# Altium PCB SAMW25_Xplained_Pro.PcbDoc (part 5 of 9)
Units mm, origin at the board's own origin, x right, y up, seen from the top; angles counter-clockwise.
Board outline 60 x 60 mm, 4 copper layers (Top Layer LF-signals, GND, POWER, Bottom Layer LF-signals), stack 1.602 mm thick; 139 components, 107 nets, 540 pads, 303 vias.
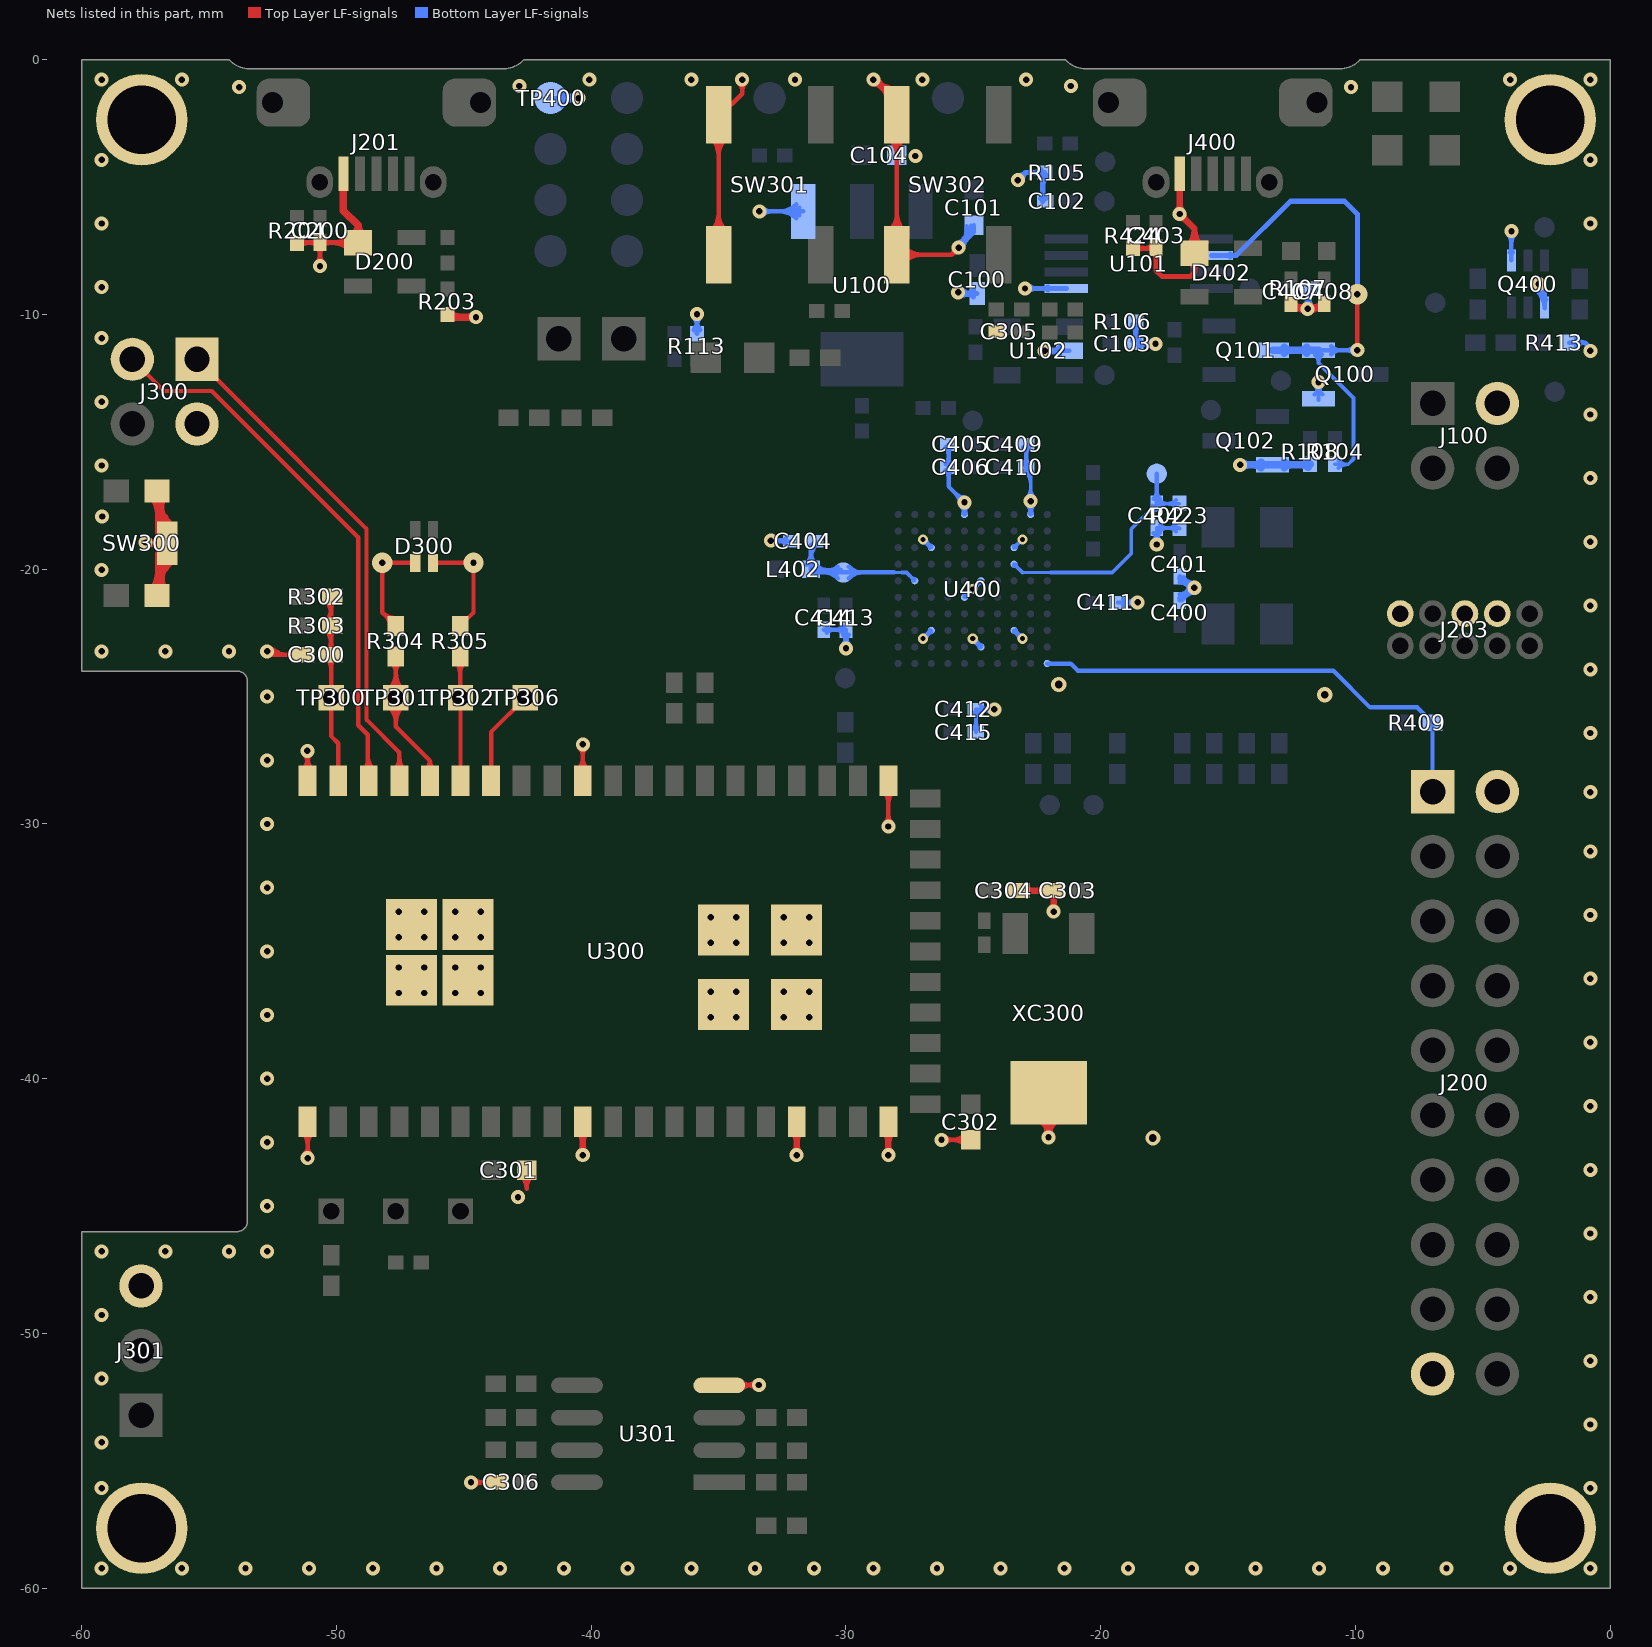
[diagram p7: the nets of this part, all layers, seen from the top]

## Via types
v1: diameter 0.55, hole 0.25, Top Layer LF-signals to Bottom Layer LF-signals, tented both sides, 213 vias
v2: diameter 0.55, hole 0.25, Top Layer LF-signals to Bottom Layer LF-signals, 46 vias
v3: diameter 0.55/0.8 (per signal layer), hole 0.25, Top Layer LF-signals to Bottom Layer LF-signals, tented top, 18 vias
v4: diameter 0.4, hole 0.2, Top Layer LF-signals to Bottom Layer LF-signals, 15 vias
v5: diameter 0.55, hole 0.25, Top Layer LF-signals to Bottom Layer LF-signals, tented top, 8 vias
v6: diameter 0.6, hole 0.3, Top Layer LF-signals to Bottom Layer LF-signals, tented both sides, 3 vias

## Nets (pads, with @x,y where several pads share a name; then routed paths per layer and width w, separated by ;. In a path a pad name is that pad's centre, name@x,y a point inside that pad or via, vN(x,y) a via of type N, cw(c..) or ccw(c..) an arc to the next point about the centre after c; other vN are vias at no path point) (continued)
GND: (continued)
  Bottom Layer LF-signals w0.175: v1(-33.4,-5.95) U100.1@-31.675,-5.95 ; C414.2@-30.875,-22.375 C413.2@-30,-22.375 v1(-30.001,-23.101) v1(-30.001,-23.101) ; C405.2@-25.975,-15.1 C406.2@-25.975,-16 -25.975,-16.748 v1(-25.35,-17.373) ; v1@-25.624,-7.194 ccw(c-25.741,-6.757) -25.349,-6.983 ccw(c-24.957,-7.209) v1@-25.394,-7.326 ; v1@-25.575,-7.188 ccw(c-25.575,-6.735) -25.255,-7.055 ccw(c-24.935,-7.375) v1@-25.388,-7.375 ; -25.311,-7.111 ccw(c-25.844,-6.578) C101.2@-25.093,-6.509 ; C101.2@-25.267,-6.525 cw(c-26.328,-6.622) v1(-25.575,-7.375) -24.975,-6.775 C101.2@-24.975,-6.499 ; C410.2@-22.925,-16 C409.2@-22.925,-15.1 ; v1@-22.225,-11.375 -22.225,-11.4 v1(-22.2,-11.425) U102.2@-21.225,-11.425 ; C400.2@-16.9,-21.225 -16.825,-21.225 v2(-16.325,-20.725) ; C401.2@-16.9,-20.275 v2@-16.45,-20.725 ; C400.2@-16.891,-20.988 ccw(c-16.872,-20.664) C400.2@-16.656,-20.906 ; C401.2@-16.858,-20.507 cw(c-16.725,-21.003) v2@-16.469,-20.558 ; C400.2@-16.738,-21.148 cw(c-16.369,-21.144) -16.614,-20.868 ; -16.616,-20.473 cw(c-16.481,-20.238) C401.2@-16.743,-20.308 ; -16.573,-20.53 cw(c-16.667,-20.882) v2@-16.336,-20.73 ; Q400.1@-3.875,-7.875 v1(-3.875,-6.725) ; v1(-2.8,-8.8) -2.575,-9.025 Q400.4@-2.575,-9.725 ; -2.728,-9.161 ccw(c-2.345,-9.045) Q400.4@-2.534,-9.398 ; -2.698,-9.232 cw(c-2.835,-9.369) Q400.4@-2.656,-9.442 ; R413.1@-1.6,-11.1 -0.975,-11.1 ; v1(-0.775,-11.425) -0.775,-11.3 -0.975,-11.1 ; v1@-33.267,-6.083 cw(c-32.947,-6.403) -32.947,-5.95 ; v1@-33.267,-6.083 cw(c-32.947,-6.403) -32.947,-5.95 ; v1@-33.267,-6.083 cw(c-32.947,-6.403) -32.947,-5.95 ; v1@-33.267,-5.817 ccw(c-32.947,-5.497) -32.947,-5.95 ; v1@-33.267,-5.817 ccw(c-32.947,-5.497) -32.947,-5.95 ; v1@-33.267,-5.817 ccw(c-32.947,-5.497) -32.947,-5.95 ; -32.611,-5.95 cw(c-32.611,-6.886) U100.1@-31.949,-6.224 ; -32.611,-5.95 ccw(c-32.611,-5.014) U100.1@-31.949,-5.676 ; -32.611,-5.95 ccw(c-32.611,-5.014) U100.1@-31.949,-5.676 ; -32.611,-5.95 cw(c-32.611,-6.886) U100.1@-31.949,-6.224 ; -32.611,-5.95 ccw(c-32.611,-5.014) U100.1@-31.949,-5.676 ; -32.611,-5.95 cw(c-32.611,-6.886) U100.1@-31.949,-6.224 ; -32.188,-5.95 cw(c-32.188,-6.463) U100.1@-31.825,-6.1 ; -32.188,-5.95 ccw(c-32.188,-5.437) U100.1@-31.825,-5.8 ; -32.188,-5.95 ccw(c-32.188,-5.437) U100.1@-31.825,-5.8 ; -32.188,-5.95 cw(c-32.188,-6.463) U100.1@-31.825,-6.1 ; -32.188,-5.95 ccw(c-32.188,-5.437) U100.1@-31.825,-5.8 ; -32.188,-5.95 cw(c-32.188,-6.463) U100.1@-31.825,-6.1 ; C414.2@-30.76,-22.49 cw(c-30.483,-22.767) -30.483,-22.375 ; C414.2@-30.76,-22.49 cw(c-30.483,-22.767) -30.483,-22.375 ; C414.2@-30.76,-22.49 cw(c-30.483,-22.767) -30.483,-22.375 ; C414.2@-30.76,-22.26 ccw(c-30.483,-21.983) -30.483,-22.375 ; C414.2@-30.76,-22.26 ccw(c-30.483,-21.983) -30.483,-22.375 ; C414.2@-30.76,-22.26 ccw(c-30.483,-21.983) -30.483,-22.375 ; -30.392,-22.375 cw(c-30.392,-22.767) C413.2@-30.115,-22.49 ; -30.392,-22.375 ccw(c-30.392,-21.983) C413.2@-30.115,-22.26 ; -30.392,-22.375 ccw(c-30.392,-21.983) C413.2@-30.115,-22.26 ; -30.392,-22.375 cw(c-30.392,-22.767) C413.2@-30.115,-22.49 ; -30.392,-22.375 ccw(c-30.392,-21.983) C413.2@-30.115,-22.26 ; -30.392,-22.375 cw(c-30.392,-22.767) C413.2@-30.115,-22.49 ; v1@-30.134,-22.969 ccw(c-30.458,-22.645) C413.2@-30,-22.645 ; v1@-30.134,-22.969 ccw(c-30.458,-22.645) C413.2@-30,-22.645 ; v1@-30.134,-22.969 ccw(c-30.458,-22.645) C413.2@-30,-22.645 ; C413.2@-30.115,-22.565 cw(c-30.392,-22.842) v1@-30,-22.842 ; C413.2@-30.115,-22.565 cw(c-30.392,-22.842) v1@-30,-22.842 ; C413.2@-30.115,-22.565 cw(c-30.392,-22.842) v1@-30,-22.842 ; C413.2@-30.106,-22.573 cw(c-30.243,-22.735) -30.039,-22.789 ; C413.2@-30.106,-22.573 cw(c-30.243,-22.735) -30.039,-22.789 ; C413.2@-30.106,-22.573 cw(c-30.243,-22.735) -30.039,-22.789 ; v1@-30.095,-22.939 ccw(c-30.21,-22.741) -29.989,-22.8 ; v1@-30.096,-22.939 ccw(c-30.175,-22.802) -30.022,-22.761 ; v1@-30.096,-22.939 ccw(c-30.175,-22.802) -30.022,-22.761 ; v1@-30.095,-22.939 ccw(c-30.21,-22.741) -29.989,-22.8 ; v1@-30.096,-22.939 ccw(c-30.175,-22.802) -30.022,-22.761 ; v1@-30.095,-22.939 ccw(c-30.21,-22.741) -29.989,-22.8 ; v1@-30.096,-22.939 ccw(c-30.175,-22.802) -30.022,-22.761 ; v1@-30.095,-22.939 ccw(c-30.21,-22.741) -29.989,-22.8 ; v1@-30.096,-22.939 ccw(c-30.175,-22.802) -30.022,-22.761 ; v1@-30.095,-22.939 ccw(c-30.21,-22.741) -29.989,-22.8 ; v1@-30.096,-22.939 ccw(c-30.175,-22.802) -30.022,-22.761 ; v1@-30.095,-22.939 ccw(c-30.21,-22.741) -29.989,-22.8 ; C413.2@-30.081,-22.591 cw(c-30.188,-22.776) -29.982,-22.721 ; C413.2@-30.081,-22.591 cw(c-30.188,-22.776) -29.982,-22.721 ; C413.2@-30.081,-22.591 cw(c-30.188,-22.776) -29.982,-22.721 ; -30.021,-22.724 cw(c-29.809,-22.781) C413.2@-29.919,-22.591 ; -30.021,-22.724 cw(c-29.809,-22.781) C413.2@-29.919,-22.591 ; -30.021,-22.724 cw(c-29.809,-22.781) C413.2@-29.919,-22.591 ; -30.01,-22.806 ccw(c-29.798,-22.749) v1@-29.908,-22.939 ; -30.01,-22.806 ccw(c-29.798,-22.749) v1@-29.908,-22.939 ; -30.01,-22.806 ccw(c-29.798,-22.749) v1@-29.908,-22.939 ; -30.01,-22.806 ccw(c-29.798,-22.749) v1@-29.908,-22.939 ; -30.01,-22.806 ccw(c-29.798,-22.749) v1@-29.908,-22.939 ; -30.01,-22.806 ccw(c-29.798,-22.749) v1@-29.908,-22.939 ; v1@-30,-22.842 cw(c-29.608,-22.842) C413.2@-29.885,-22.565 ; v1@-30,-22.842 cw(c-29.608,-22.842) C413.2@-29.885,-22.565 ; v1@-30,-22.842 cw(c-29.608,-22.842) C413.2@-29.885,-22.565 ; C413.2@-30,-22.652 ccw(c-29.552,-22.652) v1@-29.869,-22.969 ; C413.2@-30,-22.652 ccw(c-29.552,-22.652) v1@-29.869,-22.969 ; C413.2@-30,-22.652 ccw(c-29.552,-22.652) v1@-29.869,-22.969 ; -29.977,-22.756 ccw(c-29.815,-22.799) v1@-29.903,-22.942 ; -29.977,-22.756 ccw(c-29.815,-22.799) v1@-29.903,-22.942 ; -29.977,-22.756 ccw(c-29.815,-22.799) v1@-29.903,-22.942 ; -29.977,-22.756 ccw(c-29.815,-22.799) v1@-29.903,-22.942 ; -29.977,-22.756 ccw(c-29.815,-22.799) v1@-29.903,-22.942 ; -29.977,-22.756 ccw(c-29.815,-22.799) v1@-29.903,-22.942 ; -29.963,-22.788 cw(c-29.762,-22.734) C413.2@-29.896,-22.575 ; -29.963,-22.788 cw(c-29.762,-22.734) C413.2@-29.896,-22.575 ; -29.963,-22.788 cw(c-29.762,-22.734) C413.2@-29.896,-22.575 ; C406.2@-26.09,-16.115 cw(c-26.367,-16.392) -25.975,-16.392 ; C406.2@-26.09,-16.115 cw(c-26.367,-16.392) -25.975,-16.392 ; C406.2@-26.09,-16.115 cw(c-26.367,-16.392) -25.975,-16.392 ; C406.2@-26.09,-15.885 ccw(c-26.367,-15.608) -25.975,-15.608 ; C406.2@-26.09,-15.885 ccw(c-26.367,-15.608) -25.975,-15.608 ; C406.2@-26.09,-15.885 ccw(c-26.367,-15.608) -25.975,-15.608 ; C405.2@-26.09,-15.215 cw(c-26.367,-15.492) -25.975,-15.492 ; C405.2@-26.09,-15.215 cw(c-26.367,-15.492) -25.975,-15.492 ; C405.2@-26.09,-15.215 cw(c-26.367,-15.492) -25.975,-15.492 ; -25.975,-16.392 cw(c-25.583,-16.392) C406.2@-25.86,-16.115 ; -25.975,-16.392 cw(c-25.583,-16.392) C406.2@-25.86,-16.115 ; -25.975,-16.392 cw(c-25.583,-16.392) C406.2@-25.86,-16.115 ; -25.975,-15.608 ccw(c-25.583,-15.608) C406.2@-25.86,-15.885 ; -25.975,-15.608 ccw(c-25.583,-15.608) C406.2@-25.86,-15.885 ; -25.975,-15.608 ccw(c-25.583,-15.608) C406.2@-25.86,-15.885 ; -25.975,-15.492 cw(c-25.583,-15.492) C405.2@-25.86,-15.215 ; -25.975,-15.492 cw(c-25.583,-15.492) C405.2@-25.86,-15.215 ; -25.975,-15.492 cw(c-25.583,-15.492) C405.2@-25.86,-15.215 ; -25.67,-17.052 cw(c-25.99,-17.373) v1@-25.538,-17.373 ; -25.67,-17.052 ccw(c-25.35,-16.732) v1@-25.35,-17.185 ; -25.67,-17.052 ccw(c-25.35,-16.732) v1@-25.35,-17.185 ; -25.67,-17.052 cw(c-25.99,-17.373) v1@-25.538,-17.373 ; -25.67,-17.052 ccw(c-25.35,-16.732) v1@-25.35,-17.185 ; -25.67,-17.052 cw(c-25.99,-17.373) v1@-25.538,-17.373 ; C410.2@-23.04,-15.885 ccw(c-23.317,-15.608) -22.925,-15.608 ; C410.2@-23.04,-15.885 ccw(c-23.317,-15.608) -22.925,-15.608 ; C410.2@-23.04,-15.885 ccw(c-23.317,-15.608) -22.925,-15.608 ; C409.2@-23.04,-15.215 cw(c-23.317,-15.492) -22.925,-15.492 ; C409.2@-23.04,-15.215 cw(c-23.317,-15.492) -22.925,-15.492 ; C409.2@-23.04,-15.215 cw(c-23.317,-15.492) -22.925,-15.492 ; -22.925,-15.608 ccw(c-22.533,-15.608) C410.2@-22.81,-15.885 ; -22.925,-15.608 ccw(c-22.533,-15.608) C410.2@-22.81,-15.885 ; -22.925,-15.608 ccw(c-22.533,-15.608) C410.2@-22.81,-15.885 ; -22.925,-15.492 cw(c-22.533,-15.492) C409.2@-22.81,-15.215 ; -22.925,-15.492 cw(c-22.533,-15.492) C409.2@-22.81,-15.215 ; -22.925,-15.492 cw(c-22.533,-15.492) C409.2@-22.81,-15.215 ; v1@-22.067,-11.558 cw(c-21.747,-11.878) U102.2@-21.747,-11.425 ; v1@-22.067,-11.558 cw(c-21.747,-11.878) U102.2@-21.747,-11.425 ; v1@-22.067,-11.558 cw(c-21.747,-11.878) U102.2@-21.747,-11.425 ; v1@-22.067,-11.292 ccw(c-21.747,-10.972) U102.2@-21.747,-11.425 ; v1@-22.067,-11.292 ccw(c-21.747,-10.972) U102.2@-21.747,-11.425 ; v1@-22.067,-11.292 ccw(c-21.747,-10.972) U102.2@-21.747,-11.425 ; v1@-22.064,-11.554 cw(c-21.868,-11.737) -21.799,-11.478 ; v1@-22.064,-11.554 cw(c-21.868,-11.737) -21.799,-11.478 ; v1@-22.064,-11.554 cw(c-21.868,-11.737) -21.799,-11.478 ; v1@-22.064,-11.554 cw(c-21.868,-11.737) -21.799,-11.478 ; v1@-22.064,-11.554 cw(c-21.868,-11.737) -21.799,-11.478 ; v1@-22.064,-11.554 cw(c-21.868,-11.737) -21.799,-11.478 ; v1@-22.064,-11.296 ccw(c-21.868,-11.113) -21.799,-11.372 ; v1@-22.064,-11.296 ccw(c-21.868,-11.113) -21.799,-11.372 ; v1@-22.064,-11.296 ccw(c-21.868,-11.113) -21.799,-11.372 ; v1@-22.064,-11.296 ccw(c-21.868,-11.113) -21.799,-11.372 ; v1@-22.064,-11.296 ccw(c-21.868,-11.113) -21.799,-11.372 ; v1@-22.064,-11.296 ccw(c-21.868,-11.113) -21.799,-11.372 ; v1@-22.038,-11.519 cw(c-21.8,-11.656) -21.871,-11.391 ; v1@-22.038,-11.519 cw(c-21.8,-11.656) -21.871,-11.391 ; v1@-22.038,-11.519 cw(c-21.8,-11.656) -21.871,-11.391 ; v1@-22.038,-11.519 cw(c-21.8,-11.656) -21.871,-11.391 ; v1@-22.038,-11.519 cw(c-21.8,-11.656) -21.871,-11.391 ; v1@-22.038,-11.519 cw(c-21.8,-11.656) -21.871,-11.391 ; v1@-22.038,-11.331 ccw(c-21.8,-11.194) -21.871,-11.459 ; v1@-22.038,-11.331 ccw(c-21.8,-11.194) -21.871,-11.459 ; v1@-22.038,-11.331 ccw(c-21.8,-11.194) -21.871,-11.459 ; v1@-22.038,-11.331 ccw(c-21.8,-11.194) -21.871,-11.459 ; v1@-22.038,-11.331 ccw(c-21.8,-11.194) -21.871,-11.459 ; v1@-22.038,-11.331 ccw(c-21.8,-11.194) -21.871,-11.459 ; v1@-21.998,-11.425 cw(c-21.998,-11.998) U102.2@-21.593,-11.593 ; v1@-21.998,-11.425 ccw(c-21.998,-10.852) U102.2@-21.593,-11.257 ; v1@-21.998,-11.425 ccw(c-21.998,-10.852) U102.2@-21.593,-11.257 ; v1@-21.998,-11.425 cw(c-21.998,-11.998) U102.2@-21.593,-11.593 ; v1@-21.998,-11.425 ccw(c-21.998,-10.852) U102.2@-21.593,-11.257 ; v1@-21.998,-11.425 cw(c-21.998,-11.998) U102.2@-21.593,-11.593 ; -21.834,-11.448 cw(c-21.789,-11.616) U102.2@-21.635,-11.535 ; -21.834,-11.448 cw(c-21.789,-11.616) U102.2@-21.635,-11.535 ; -21.834,-11.448 cw(c-21.789,-11.616) U102.2@-21.635,-11.535 ; -21.834,-11.402 ccw(c-21.789,-11.234) U102.2@-21.635,-11.315 ; -21.834,-11.402 ccw(c-21.789,-11.234) U102.2@-21.635,-11.315 ; -21.834,-11.402 ccw(c-21.789,-11.234) U102.2@-21.635,-11.315 ; -21.806,-11.441 ccw(c-21.881,-11.162) U102.2@-21.631,-11.306 ; -21.806,-11.441 ccw(c-21.881,-11.162) U102.2@-21.631,-11.306 ; -21.806,-11.441 ccw(c-21.881,-11.162) U102.2@-21.631,-11.306 ; -21.806,-11.409 cw(c-21.881,-11.688) U102.2@-21.631,-11.544 ; -21.806,-11.409 cw(c-21.881,-11.688) U102.2@-21.631,-11.544 ; -21.806,-11.409 cw(c-21.881,-11.688) U102.2@-21.631,-11.544 ; C400.2@-16.911,-21.144 cw(c-16.52,-21.337) -16.633,-20.916 ; C400.2@-16.911,-21.144 cw(c-16.52,-21.337) -16.633,-20.916 ; C400.2@-16.911,-21.144 cw(c-16.533,-21.356) -16.645,-20.937 ; C400.2@-16.911,-21.144 cw(c-16.533,-21.356) -16.645,-20.937 ; C400.2@-16.911,-21.144 cw(c-16.533,-21.356) -16.645,-20.937 ; C400.2@-16.911,-21.144 cw(c-16.533,-21.356) -16.645,-20.937 ; C400.2@-16.911,-21.144 cw(c-16.52,-21.337) -16.633,-20.916 ; C401.2@-16.911,-20.355 ccw(c-16.575,-20.205) C401.2@-16.67,-20.561 ; C401.2@-16.911,-20.355 ccw(c-16.575,-20.205) C401.2@-16.67,-20.561 ; C401.2@-16.911,-20.355 ccw(c-16.575,-20.205) C401.2@-16.67,-20.561 ; C401.2@-16.911,-20.355 ccw(c-16.575,-20.205) C401.2@-16.67,-20.561 ; C401.2@-16.912,-20.354 ccw(c-16.584,-20.236) C401.2@-16.674,-20.573 ; C401.2@-16.912,-20.354 ccw(c-16.584,-20.236) C401.2@-16.674,-20.573 ; C401.2@-16.912,-20.354 ccw(c-16.584,-20.236) C401.2@-16.674,-20.573 ; C400.2@-16.9,-20.987 ccw(c-16.9,-20.233) v2@-16.367,-20.767 ; C400.2@-16.9,-20.987 ccw(c-16.9,-20.586) -16.616,-20.87 ; C400.2@-16.9,-20.987 ccw(c-16.9,-20.586) -16.616,-20.87 ; C400.2@-16.9,-20.987 ccw(c-16.9,-20.586) -16.616,-20.87 ; C400.2@-16.9,-20.987 ccw(c-16.9,-20.233) v2@-16.367,-20.767 ; C400.2@-16.9,-20.987 ccw(c-16.9,-20.586) -16.616,-20.87 ; C400.2@-16.9,-20.987 ccw(c-16.9,-20.233) v2@-16.367,-20.767 ; C401.2@-16.9,-20.513 cw(c-16.9,-21.086) v2@-16.495,-20.68 ; C401.2@-16.9,-20.513 cw(c-16.9,-21.086) v2@-16.495,-20.68 ; C401.2@-16.9,-20.513 cw(c-16.9,-21.086) v2@-16.495,-20.68 ; C401.2@-16.858,-20.317 ccw(c-16.325,-19.783) v2@-16.325,-20.538 ; C401.2@-16.858,-20.317 ccw(c-16.325,-19.783) v2@-16.325,-20.538 ; C401.2@-16.858,-20.317 ccw(c-16.325,-19.783) v2@-16.325,-20.538 ; C401.2@-16.823,-20.493 cw(c-16.688,-20.745) -16.545,-20.497 ; C401.2@-16.823,-20.493 cw(c-16.688,-20.745) -16.545,-20.497 ; C401.2@-16.823,-20.493 cw(c-16.688,-20.745) -16.545,-20.497 ; C401.2@-16.743,-20.308 ccw(c-16.528,-20.25) -16.639,-20.443 ; C401.2@-16.743,-20.308 ccw(c-16.528,-20.25) -16.639,-20.443 ; C401.2@-16.743,-20.308 ccw(c-16.528,-20.25) -16.639,-20.443 ; C400.2@-16.738,-21.15 cw(c-16.355,-21.15) -16.625,-20.879 ; C400.2@-16.738,-21.15 cw(c-16.355,-21.15) -16.625,-20.879 ; C400.2@-16.738,-21.15 cw(c-16.355,-21.15) -16.625,-20.879 ; C400.2@-16.738,-21.15 cw(c-16.355,-21.15) -16.625,-20.879 ; C401.2@-16.738,-20.35 ccw(c-16.526,-20.35) C401.2@-16.676,-20.499 ; C401.2@-16.738,-20.35 ccw(c-16.526,-20.35) C401.2@-16.676,-20.499 ; C401.2@-16.738,-20.35 ccw(c-16.526,-20.35) C401.2@-16.676,-20.499 ; C401.2@-16.728,-20.545 ccw(c-16.557,-20.249) v2@-16.407,-20.557 ; C401.2@-16.728,-20.545 ccw(c-16.557,-20.249) v2@-16.407,-20.557 ; C401.2@-16.728,-20.545 ccw(c-16.557,-20.249) v2@-16.407,-20.557 ; C401.2@-16.728,-20.545 ccw(c-16.557,-20.249) v2@-16.407,-20.557 ; C401.2@-16.728,-20.545 ccw(c-16.557,-20.249) v2@-16.407,-20.557 ; C401.2@-16.728,-20.545 ccw(c-16.557,-20.249) v2@-16.407,-20.557 ; C400.2@-16.712,-20.966 ccw(c-16.926,-20.597) v2@-16.508,-20.686 ; C400.2@-16.712,-20.966 ccw(c-16.926,-20.597) v2@-16.508,-20.686 ; C400.2@-16.712,-20.966 ccw(c-16.926,-20.597) v2@-16.508,-20.686 ; C400.2@-16.712,-20.966 ccw(c-16.926,-20.597) v2@-16.508,-20.686 ; C400.2@-16.712,-20.966 ccw(c-16.926,-20.597) v2@-16.508,-20.686 ; C400.2@-16.712,-20.966 ccw(c-16.926,-20.597) v2@-16.508,-20.686 ; C400.2@-16.678,-20.946 cw(c-16.477,-21.293) v2@-16.374,-20.906 ; C400.2@-16.678,-20.946 cw(c-16.477,-21.293) v2@-16.374,-20.906 ; C400.2@-16.678,-20.946 cw(c-16.477,-21.293) v2@-16.374,-20.906 ; C400.2@-16.678,-20.946 cw(c-16.477,-21.293) v2@-16.374,-20.906 ; C400.2@-16.678,-20.946 cw(c-16.477,-21.293) v2@-16.374,-20.906 ; C400.2@-16.678,-20.946 cw(c-16.477,-21.293) v2@-16.374,-20.906 ; C401.2@-16.66,-20.448 cw(c-16.786,-20.919) v2@-16.337,-20.73 ; C401.2@-16.66,-20.448 cw(c-16.786,-20.919) v2@-16.337,-20.73 ; C401.2@-16.66,-20.448 cw(c-16.786,-20.919) v2@-16.337,-20.73 ; -16.645,-21.045 cw(c-16.325,-21.365) v2@-16.325,-20.912 ; -16.645,-21.045 ccw(c-16.965,-20.725) v2@-16.512,-20.725 ; -16.645,-21.045 ccw(c-16.965,-20.725) v2@-16.512,-20.725 ; -16.645,-21.045 cw(c-16.325,-21.365) v2@-16.325,-20.912 ; -16.645,-21.045 ccw(c-16.965,-20.725) v2@-16.512,-20.725 ; -16.645,-21.045 cw(c-16.325,-21.365) v2@-16.325,-20.912 ; -16.644,-20.594 cw(c-16.791,-20.85) v2@-16.506,-20.774 ; -16.644,-20.594 cw(c-16.791,-20.85) v2@-16.506,-20.774 ; -16.644,-20.594 cw(c-16.791,-20.85) v2@-16.506,-20.774 ; -16.644,-20.594 cw(c-16.791,-20.85) v2@-16.506,-20.774 ; -16.644,-20.594 cw(c-16.791,-20.85) v2@-16.506,-20.774 ; -16.644,-20.594 cw(c-16.791,-20.85) v2@-16.506,-20.774 ; -16.622,-20.477 cw(c-16.732,-20.889) v2@-16.337,-20.73 ; -16.622,-20.477 cw(c-16.732,-20.889) v2@-16.337,-20.73 ; -16.622,-20.477 cw(c-16.732,-20.889) v2@-16.337,-20.73 ; -16.622,-20.477 cw(c-16.732,-20.889) v2@-16.337,-20.73 ; -16.582,-20.83 cw(c-16.405,-20.92) v2@-16.33,-20.737 ; -16.582,-20.83 cw(c-16.405,-20.92) v2@-16.33,-20.737 ; -16.582,-20.83 cw(c-16.405,-20.92) v2@-16.33,-20.737 ; -16.582,-20.83 cw(c-16.405,-20.92) v2@-16.33,-20.737 ; v1@-4.008,-6.858 cw(c-4.328,-7.178) -3.875,-7.178 ; v1@-4.008,-6.858 cw(c-4.328,-7.178) -3.875,-7.178 ; v1@-4.008,-6.858 cw(c-4.328,-7.178) -3.875,-7.178 ; Q400.1@-3.937,-7.563 ccw(c-4.086,-7.414) -3.875,-7.414 ; Q400.1@-3.937,-7.563 ccw(c-4.086,-7.414) -3.875,-7.414 ; Q400.1@-3.937,-7.563 ccw(c-4.086,-7.414) -3.875,-7.414 ; -3.875,-7.414 ccw(c-3.664,-7.414) Q400.1@-3.813,-7.563 ; -3.875,-7.414 ccw(c-3.664,-7.414) Q400.1@-3.813,-7.563 ; -3.875,-7.414 ccw(c-3.664,-7.414) Q400.1@-3.813,-7.563 ; -3.875,-7.178 cw(c-3.422,-7.178) v1@-3.742,-6.858 ; -3.875,-7.178 cw(c-3.422,-7.178) v1@-3.742,-6.858 ; -3.875,-7.178 cw(c-3.422,-7.178) v1@-3.742,-6.858 ; v1@-2.928,-8.937 cw(c-3.692,-9.752) Q400.4@-2.575,-9.752 ; v1@-2.928,-8.937 cw(c-3.692,-9.752) Q400.4@-2.575,-9.752 ; v1@-2.928,-8.937 cw(c-3.692,-9.752) Q400.4@-2.575,-9.752 ; v1@-2.828,-8.985 cw(c-2.874,-9.293) -2.61,-9.129 ; v1@-2.828,-8.985 cw(c-2.874,-9.293) -2.61,-9.129 ; v1@-2.828,-8.985 cw(c-2.874,-9.293) -2.61,-9.129 ; v1@-2.809,-8.809 cw(c-3.314,-9.348) Q400.4@-2.575,-9.348 ; v1@-2.809,-8.809 cw(c-3.314,-9.348) Q400.4@-2.575,-9.348 ; v1@-2.809,-8.809 cw(c-3.314,-9.348) Q400.4@-2.575,-9.348 ; -2.805,-9.135 cw(c-2.559,-8.982) v1@-2.79,-8.808 ; -2.805,-9.135 cw(c-2.559,-8.982) v1@-2.79,-8.808 ; -2.805,-9.135 cw(c-2.559,-8.982) v1@-2.79,-8.808 ; -2.744,-9.122 ccw(c-2.303,-9.004) Q400.4@-2.531,-9.399 ; -2.744,-9.122 ccw(c-2.303,-9.004) Q400.4@-2.531,-9.399 ; -2.744,-9.122 ccw(c-2.303,-9.004) Q400.4@-2.531,-9.399 ; Q400.4@-2.67,-9.352 cw(c-2.34,-9.147) v1@-2.65,-8.913 ; Q400.4@-2.67,-9.352 cw(c-2.34,-9.147) v1@-2.65,-8.913 ; Q400.4@-2.67,-9.352 cw(c-2.34,-9.147) v1@-2.65,-8.913 ; Q400.4@-2.651,-9.431 ccw(c-2.931,-9.27) -2.618,-9.186 ; Q400.4@-2.651,-9.431 ccw(c-2.931,-9.27) -2.618,-9.186 ; Q400.4@-2.651,-9.431 ccw(c-2.931,-9.27) -2.618,-9.186 ; Q400.4@-2.637,-9.413 ccw(c-2.786,-9.264) -2.575,-9.264 ; Q400.4@-2.637,-9.413 ccw(c-2.786,-9.264) -2.575,-9.264 ; Q400.4@-2.637,-9.413 ccw(c-2.786,-9.264) -2.575,-9.264 ; v1@-2.628,-8.875 ccw(c-2.378,-8.985) -2.61,-9.129 ; v1@-2.628,-8.875 ccw(c-2.378,-8.985) -2.61,-9.129 ; v1@-2.628,-8.875 ccw(c-2.378,-8.985) -2.61,-9.129 ; -2.575,-9.264 ccw(c-2.364,-9.264) Q400.4@-2.513,-9.413 ; -2.575,-9.264 ccw(c-2.364,-9.264) Q400.4@-2.513,-9.413 ; -2.575,-9.264 ccw(c-2.364,-9.264) Q400.4@-2.513,-9.413 ; R413.1@-1.352,-11.263 cw(c-0.975,-11.618) -0.975,-11.1 ; R413.1@-1.352,-11.263 cw(c-0.975,-11.618) -0.975,-11.1 ; R413.1@-1.352,-11.263 cw(c-0.975,-11.618) -0.975,-11.1 ; R413.1@-1.352,-10.937 ccw(c-0.975,-10.582) -0.975,-11.1 ; R413.1@-1.352,-10.937 ccw(c-0.975,-10.582) -0.975,-11.1 ; R413.1@-1.352,-10.937 ccw(c-0.975,-10.582) -0.975,-11.1 ; -0.975,-11.1 cw(c-1.117,-11.242) v1@-0.94,-11.336 ; -0.975,-11.1 cw(c-1.117,-11.242) v1@-0.94,-11.336 ; -0.975,-11.1 cw(c-1.117,-11.242) v1@-0.94,-11.336
  Bottom Layer LF-signals w0.2: R113.1@-35.85,-10.75 v1(-35.85,-9.985) ; v1@-25.55,-9.175 C100.2@-24.85,-9.175 ; v1@-25.513,-9.277 cw(c-25.266,-9.704) C100.2@-25.138,-9.227 ; v1@-25.476,-9.249 cw(c-25.298,-9.427) -25.298,-9.175 ; v1@-25.476,-9.001 ccw(c-25.057,-8.582) C100.2@-25.057,-9.175 ; v1@-25.448,-9.038 ccw(c-25.144,-8.862) -25.235,-9.201 ; C100.2@-24.991,-9.316 ccw(c-25.333,-9.658) -25.333,-9.175 ccw(c-25.333,-8.692) C100.2@-24.991,-9.034 ; v2(-23.25,-4.725) -22.95,-4.425 R105.1@-22.2,-4.425 ; v2(-22.975,-8.975) U101.5@-21.35,-8.975 ; C102.2@-22.275,-5.55 R105.1@-22.275,-4.45 ; R106.1@-18.625,-10.275 -18.625,-11.125 C103.2@-18.65,-11.15 v1(-17.85,-11.15) ; v1(-11.875,-9.775) -11.875,-9.2 R107.1@-11.65,-8.975 ; -35.85,-10.407 cw(c-35.428,-10.407) -35.726,-10.108 ccw(c-35.428,-10.407) -35.85,-10.407 ; -35.85,-10.407 ccw(c-36.272,-10.407) -35.974,-10.108 cw(c-36.272,-10.407) -35.85,-10.407 ; -35.85,-10.303 cw(c-36.272,-10.303) -35.974,-10.601 ccw(c-36.272,-10.303) -35.85,-10.303 ; -35.85,-10.303 ccw(c-35.428,-10.303) -35.726,-10.601 cw(c-35.428,-10.303) -35.85,-10.303 ; v2@-23.25,-4.55 ccw(c-23.25,-4.128) -22.951,-4.426 ; v2@-23.25,-4.55 ccw(c-23.25,-4.128) -22.951,-4.426 ; v2@-23.25,-4.55 ccw(c-23.25,-4.128) -22.951,-4.426 ; v2@-23.075,-4.725 cw(c-22.653,-4.725) -22.951,-4.426 ; v2@-23.075,-4.725 cw(c-22.653,-4.725) -22.951,-4.426 ; v2@-23.075,-4.725 cw(c-22.653,-4.725) -22.951,-4.426 ; v2@-22.851,-9.099 cw(c-22.553,-9.397) -22.553,-8.975 ; v2@-22.851,-9.099 cw(c-22.553,-9.397) -22.553,-8.975 ; v2@-22.851,-9.099 cw(c-22.553,-9.397) -22.553,-8.975 ; v2@-22.851,-8.851 ccw(c-22.553,-8.553) -22.553,-8.975 ; v2@-22.851,-8.851 ccw(c-22.553,-8.553) -22.553,-8.975 ; v2@-22.851,-8.851 ccw(c-22.553,-8.553) -22.553,-8.975 ; -22.647,-4.425 cw(c-22.647,-4.847) R105.1@-22.349,-4.549 ; -22.647,-4.425 ccw(c-22.647,-4.003) R105.1@-22.349,-4.301 ; -22.647,-4.425 ccw(c-22.647,-4.003) R105.1@-22.349,-4.301 ; -22.647,-4.425 cw(c-22.647,-4.847) R105.1@-22.349,-4.549 ; -22.647,-4.425 ccw(c-22.647,-4.003) R105.1@-22.349,-4.301 ; -22.647,-4.425 cw(c-22.647,-4.847) R105.1@-22.349,-4.549 ; C102.2@-22.356,-5.444 ccw(c-22.552,-5.248) -22.275,-5.248 ; C102.2@-22.356,-5.444 ccw(c-22.552,-5.248) -22.275,-5.248 ; C102.2@-22.356,-5.444 ccw(c-22.552,-5.248) -22.275,-5.248 ; R105.1@-22.349,-4.549 cw(c-22.527,-4.727) -22.275,-4.727 ; R105.1@-22.349,-4.549 cw(c-22.527,-4.727) -22.275,-4.727 ; R105.1@-22.349,-4.549 cw(c-22.527,-4.727) -22.275,-4.727 ; -22.275,-5.128 ccw(c-21.828,-5.128) C102.2@-22.144,-5.444 ; -22.275,-5.128 ccw(c-21.828,-5.128) C102.2@-22.144,-5.444 ; -22.275,-5.128 ccw(c-21.828,-5.128) C102.2@-22.144,-5.444 ; -22.275,-4.968 cw(c-21.682,-4.968) R105.1@-22.101,-4.549 ; -22.275,-4.968 cw(c-21.682,-4.968) R105.1@-22.101,-4.549 ; -22.275,-4.968 cw(c-21.682,-4.968) R105.1@-22.101,-4.549 ; -22.206,-8.975 cw(c-22.206,-9.156) U101.5@-22.078,-9.028 ; -22.206,-8.975 ccw(c-22.206,-8.794) U101.5@-22.078,-8.922 ; -22.206,-8.975 ccw(c-22.206,-8.794) U101.5@-22.078,-8.922 ; -22.206,-8.975 cw(c-22.206,-9.156) U101.5@-22.078,-9.028 ; -22.206,-8.975 ccw(c-22.206,-8.794) U101.5@-22.078,-8.922 ; -22.206,-8.975 cw(c-22.206,-9.156) U101.5@-22.078,-9.028 ; C103.2@-18.756,-11.044 ccw(c-19.072,-10.728) -18.625,-10.728 ; C103.2@-18.756,-11.044 ccw(c-19.072,-10.728) -18.625,-10.728 ; C103.2@-18.756,-11.044 ccw(c-19.072,-10.728) -18.625,-10.728 ; R106.1@-18.749,-10.399 cw(c-19.047,-10.697) -18.625,-10.697 ; R106.1@-18.749,-10.399 cw(c-19.047,-10.697) -18.625,-10.697 ; R106.1@-18.749,-10.399 cw(c-19.047,-10.697) -18.625,-10.697 ; -18.625,-10.848 ccw(c-18.348,-10.848) C103.2@-18.544,-11.044 ; -18.625,-10.848 ccw(c-18.348,-10.848) C103.2@-18.544,-11.044 ; -18.625,-10.848 ccw(c-18.348,-10.848) C103.2@-18.544,-11.044 ; -18.625,-10.697 cw(c-18.203,-10.697) R106.1@-18.501,-10.399 ; -18.625,-10.697 cw(c-18.203,-10.697) R106.1@-18.501,-10.399 ; -18.625,-10.697 cw(c-18.203,-10.697) R106.1@-18.501,-10.399 ; C103.2@-18.469,-11.256 cw(c-18.213,-11.512) -18.213,-11.15 ; C103.2@-18.469,-11.256 cw(c-18.213,-11.512) -18.213,-11.15 ; C103.2@-18.469,-11.256 cw(c-18.213,-11.512) -18.213,-11.15 ; C103.2@-18.469,-11.044 ccw(c-18.213,-10.788) -18.213,-11.15 ; C103.2@-18.469,-11.044 ccw(c-18.213,-10.788) -18.213,-11.15 ; C103.2@-18.469,-11.044 ccw(c-18.213,-10.788) -18.213,-11.15 ; -18.272,-11.15 cw(c-18.272,-11.572) v1@-17.974,-11.274 ; -18.272,-11.15 ccw(c-18.272,-10.728) v1@-17.974,-11.026 ; -18.272,-11.15 ccw(c-18.272,-10.728) v1@-17.974,-11.026 ; -18.272,-11.15 cw(c-18.272,-11.572) v1@-17.974,-11.274 ; -18.272,-11.15 ccw(c-18.272,-10.728) v1@-17.974,-11.026 ; -18.272,-11.15 cw(c-18.272,-11.572) v1@-17.974,-11.274 ; v1@-11.999,-9.651 ccw(c-12.297,-9.353) -11.875,-9.353 ; v1@-11.999,-9.651 ccw(c-12.297,-9.353) -11.875,-9.353 ; v1@-11.999,-9.651 ccw(c-12.297,-9.353) -11.875,-9.353 ; v1@-11.962,-9.623 ccw(c-12.114,-9.362) -11.822,-9.44 ; v1@-11.962,-9.623 ccw(c-12.114,-9.362) -11.822,-9.44 ; v1@-11.962,-9.623 ccw(c-12.114,-9.362) -11.822,-9.44 ; v1@-11.962,-9.623 ccw(c-12.114,-9.362) -11.822,-9.44 ; v1@-11.962,-9.623 ccw(c-12.114,-9.362) -11.822,-9.44 ; v1@-11.962,-9.623 ccw(c-12.114,-9.362) -11.822,-9.44 ; v1@-11.875,-9.639 cw(c-11.111,-9.639) R107.1@-11.651,-9.099 ; v1@-11.875,-9.639 cw(c-11.111,-9.639) R107.1@-11.651,-9.099 ; v1@-11.875,-9.639 cw(c-11.111,-9.639) R107.1@-11.651,-9.099 ; -11.875,-9.353 ccw(c-11.453,-9.353) v1@-11.751,-9.651 ; -11.875,-9.353 ccw(c-11.453,-9.353) v1@-11.751,-9.651 ; -11.875,-9.353 ccw(c-11.453,-9.353) v1@-11.751,-9.651 ; -11.788,-9.316 ccw(c-11.357,-9.431) v1@-11.729,-9.678 ; -11.788,-9.316 ccw(c-11.357,-9.431) v1@-11.729,-9.678 ; -11.788,-9.316 ccw(c-11.357,-9.431) v1@-11.729,-9.678 ; -11.788,-9.316 ccw(c-11.357,-9.431) v1@-11.729,-9.678 ; -11.788,-9.316 ccw(c-11.357,-9.431) v1@-11.729,-9.678 ; -11.788,-9.316 ccw(c-11.357,-9.431) v1@-11.729,-9.678